# Altium PCB main_io.PcbDoc (part 1 of 3)
Units mm, origin at the board's own origin, x right, y up, seen from the top; angles counter-clockwise.
Board outline 171.45 x 117.09 mm, 4 copper layers (Top Layer, Int1 (GND), Int2 (PWR), Bottom Layer), stack 1.369 mm thick; 229 components, 139 nets, 971 pads, 253 vias.
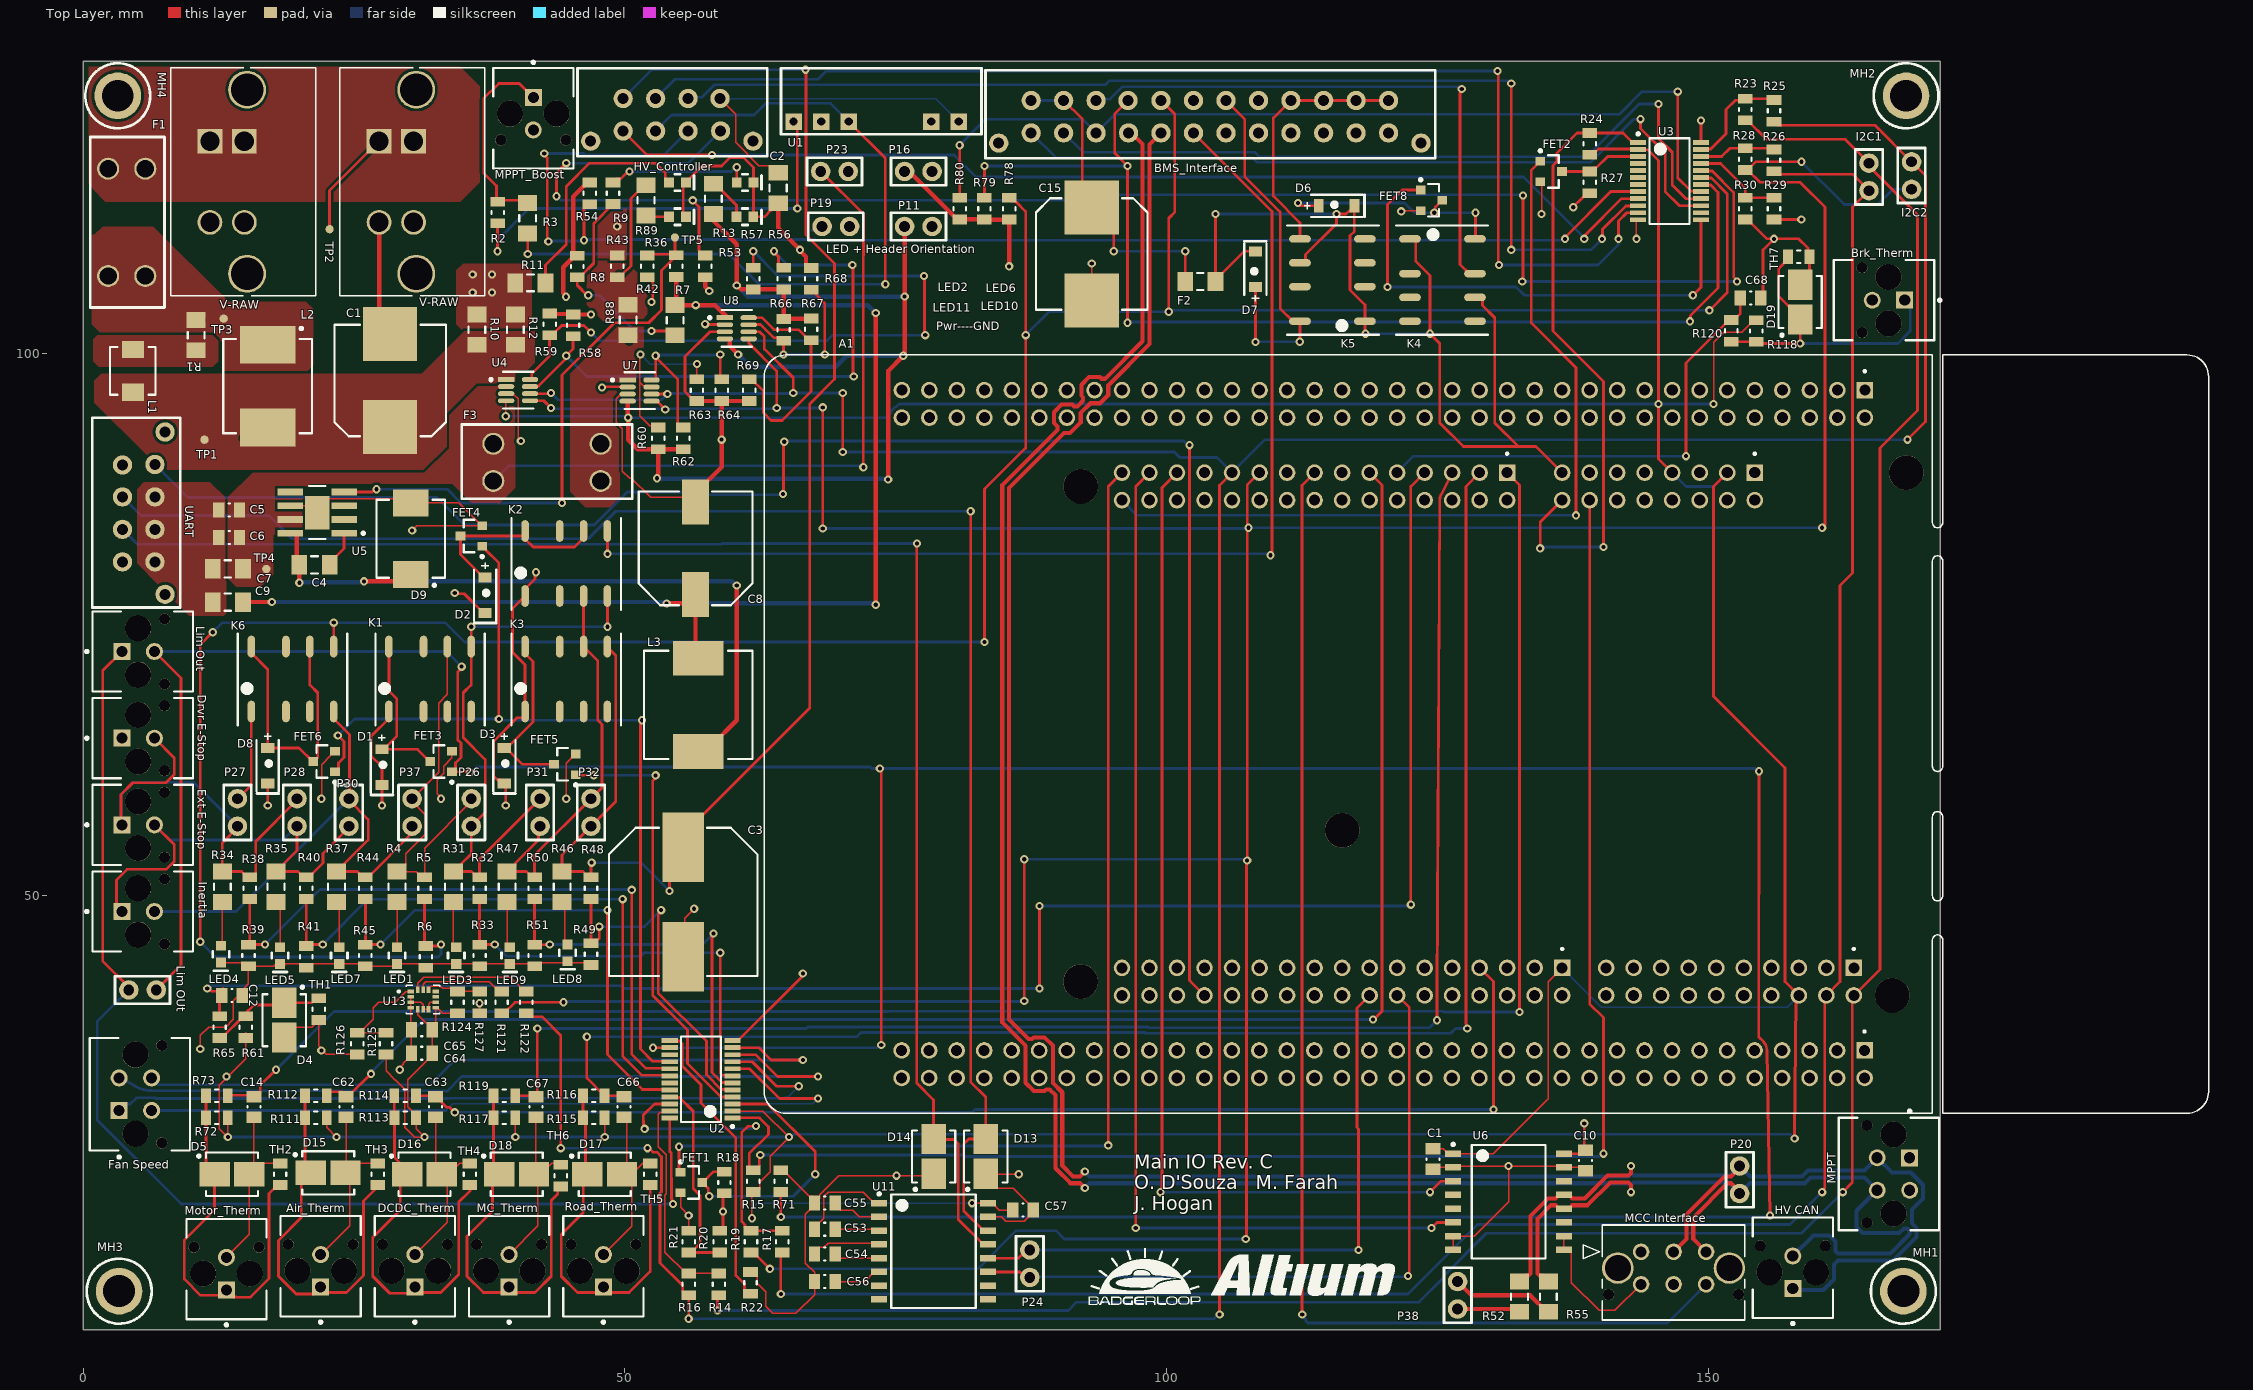
[diagram p0: Top Layer view]
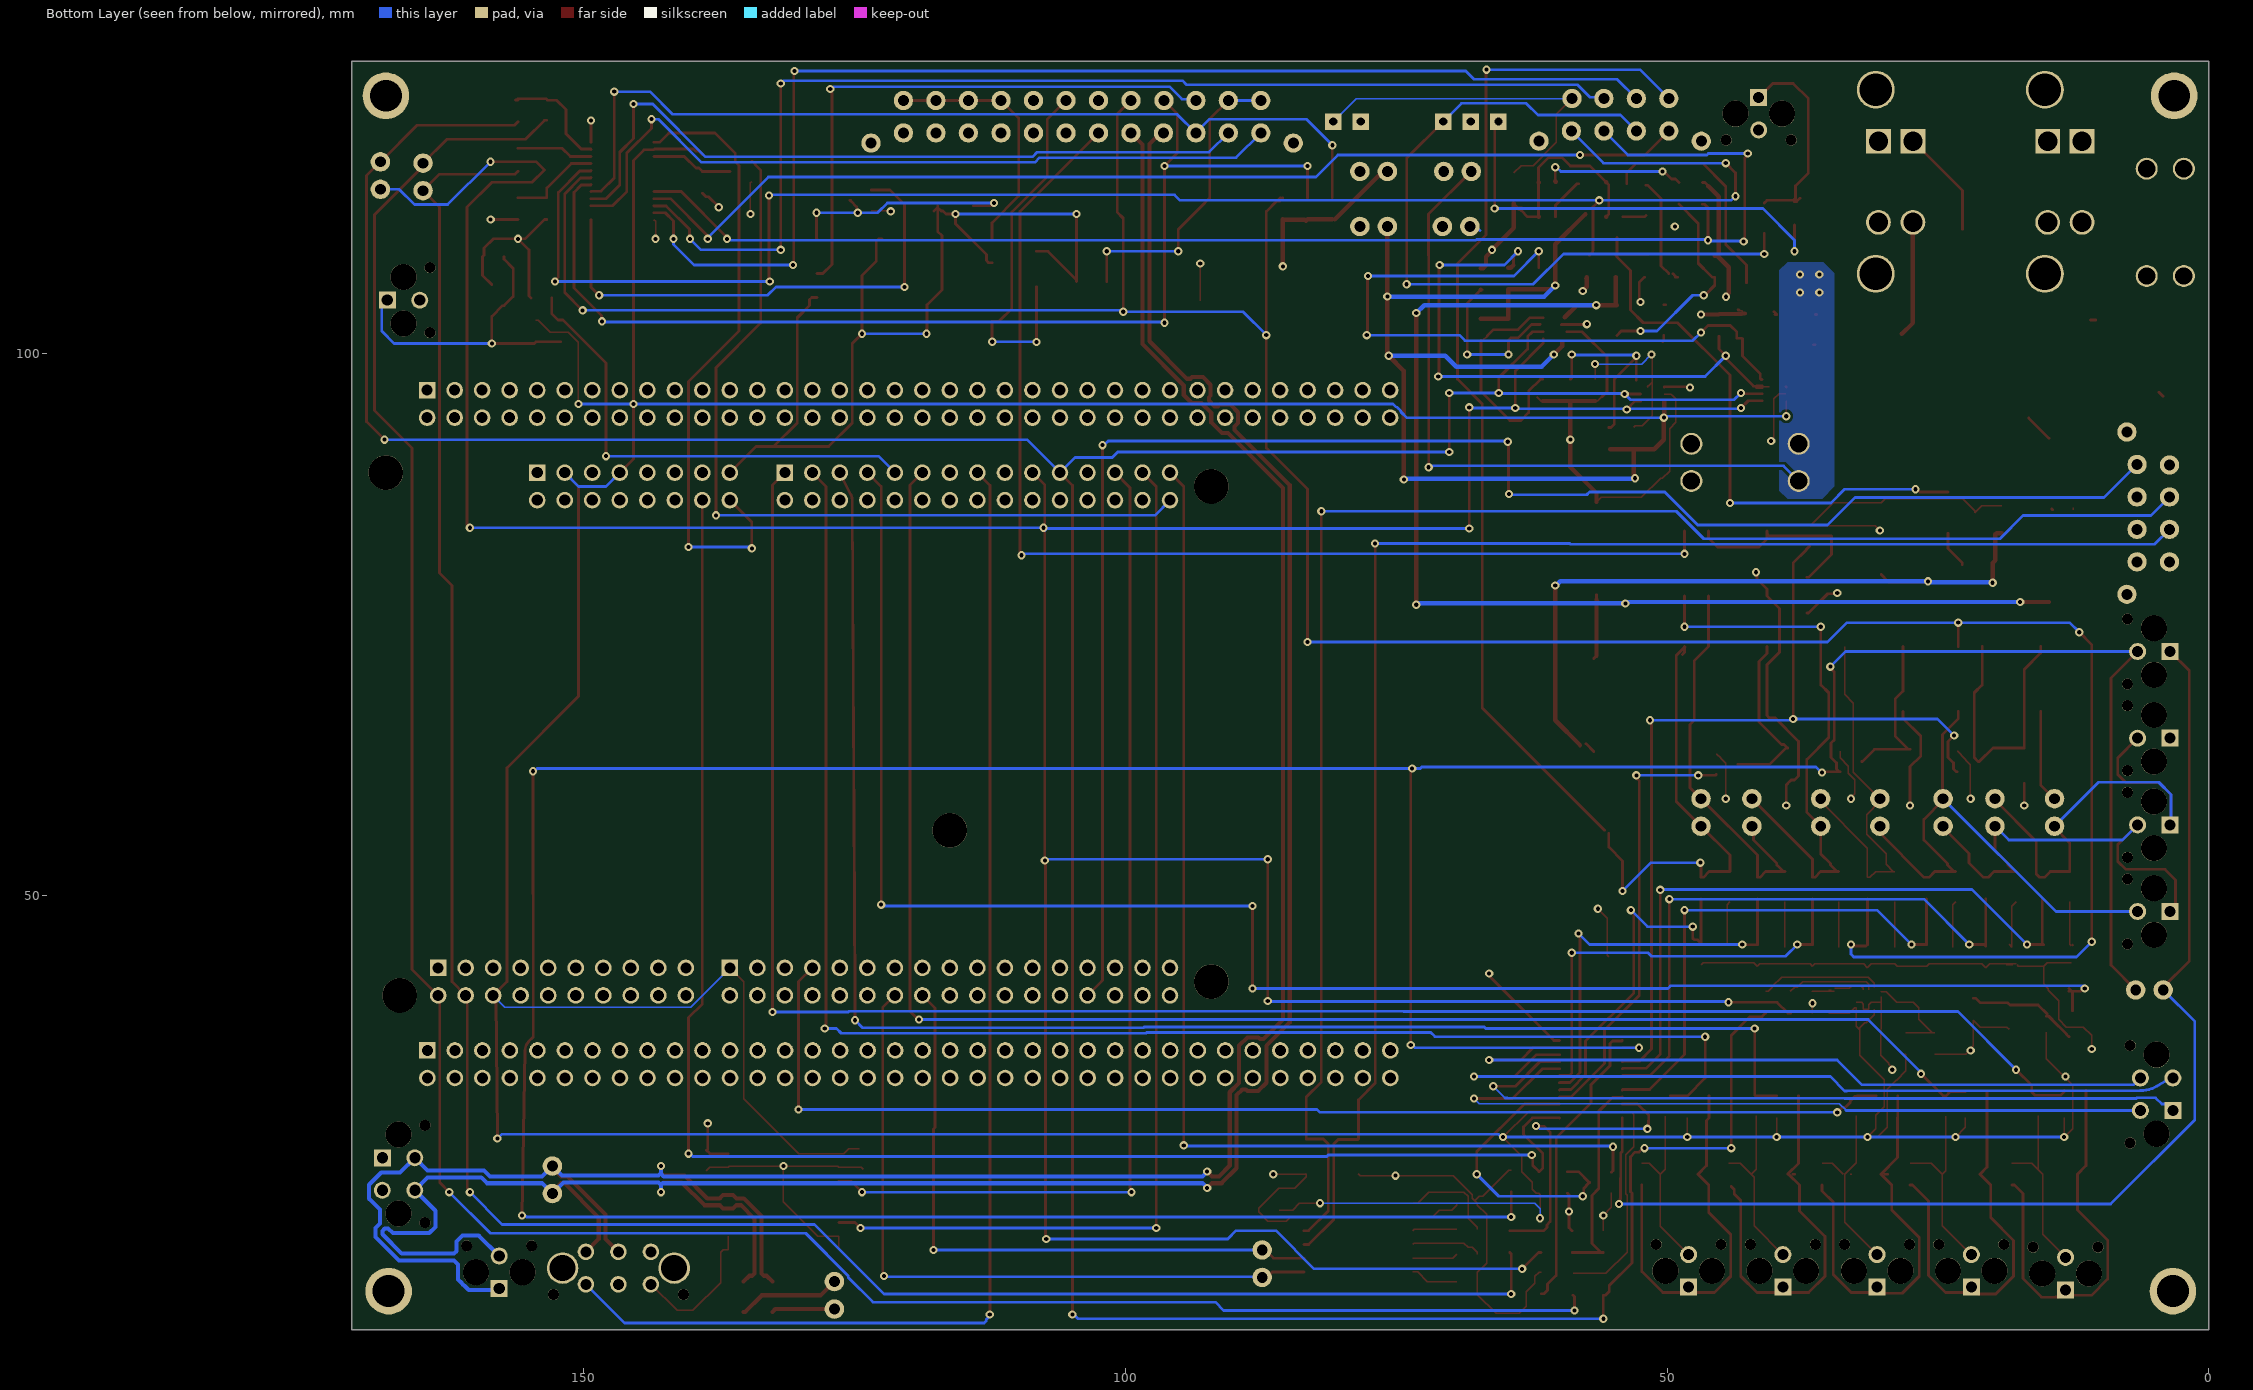
[diagram p1: Bottom Layer view, seen from below]
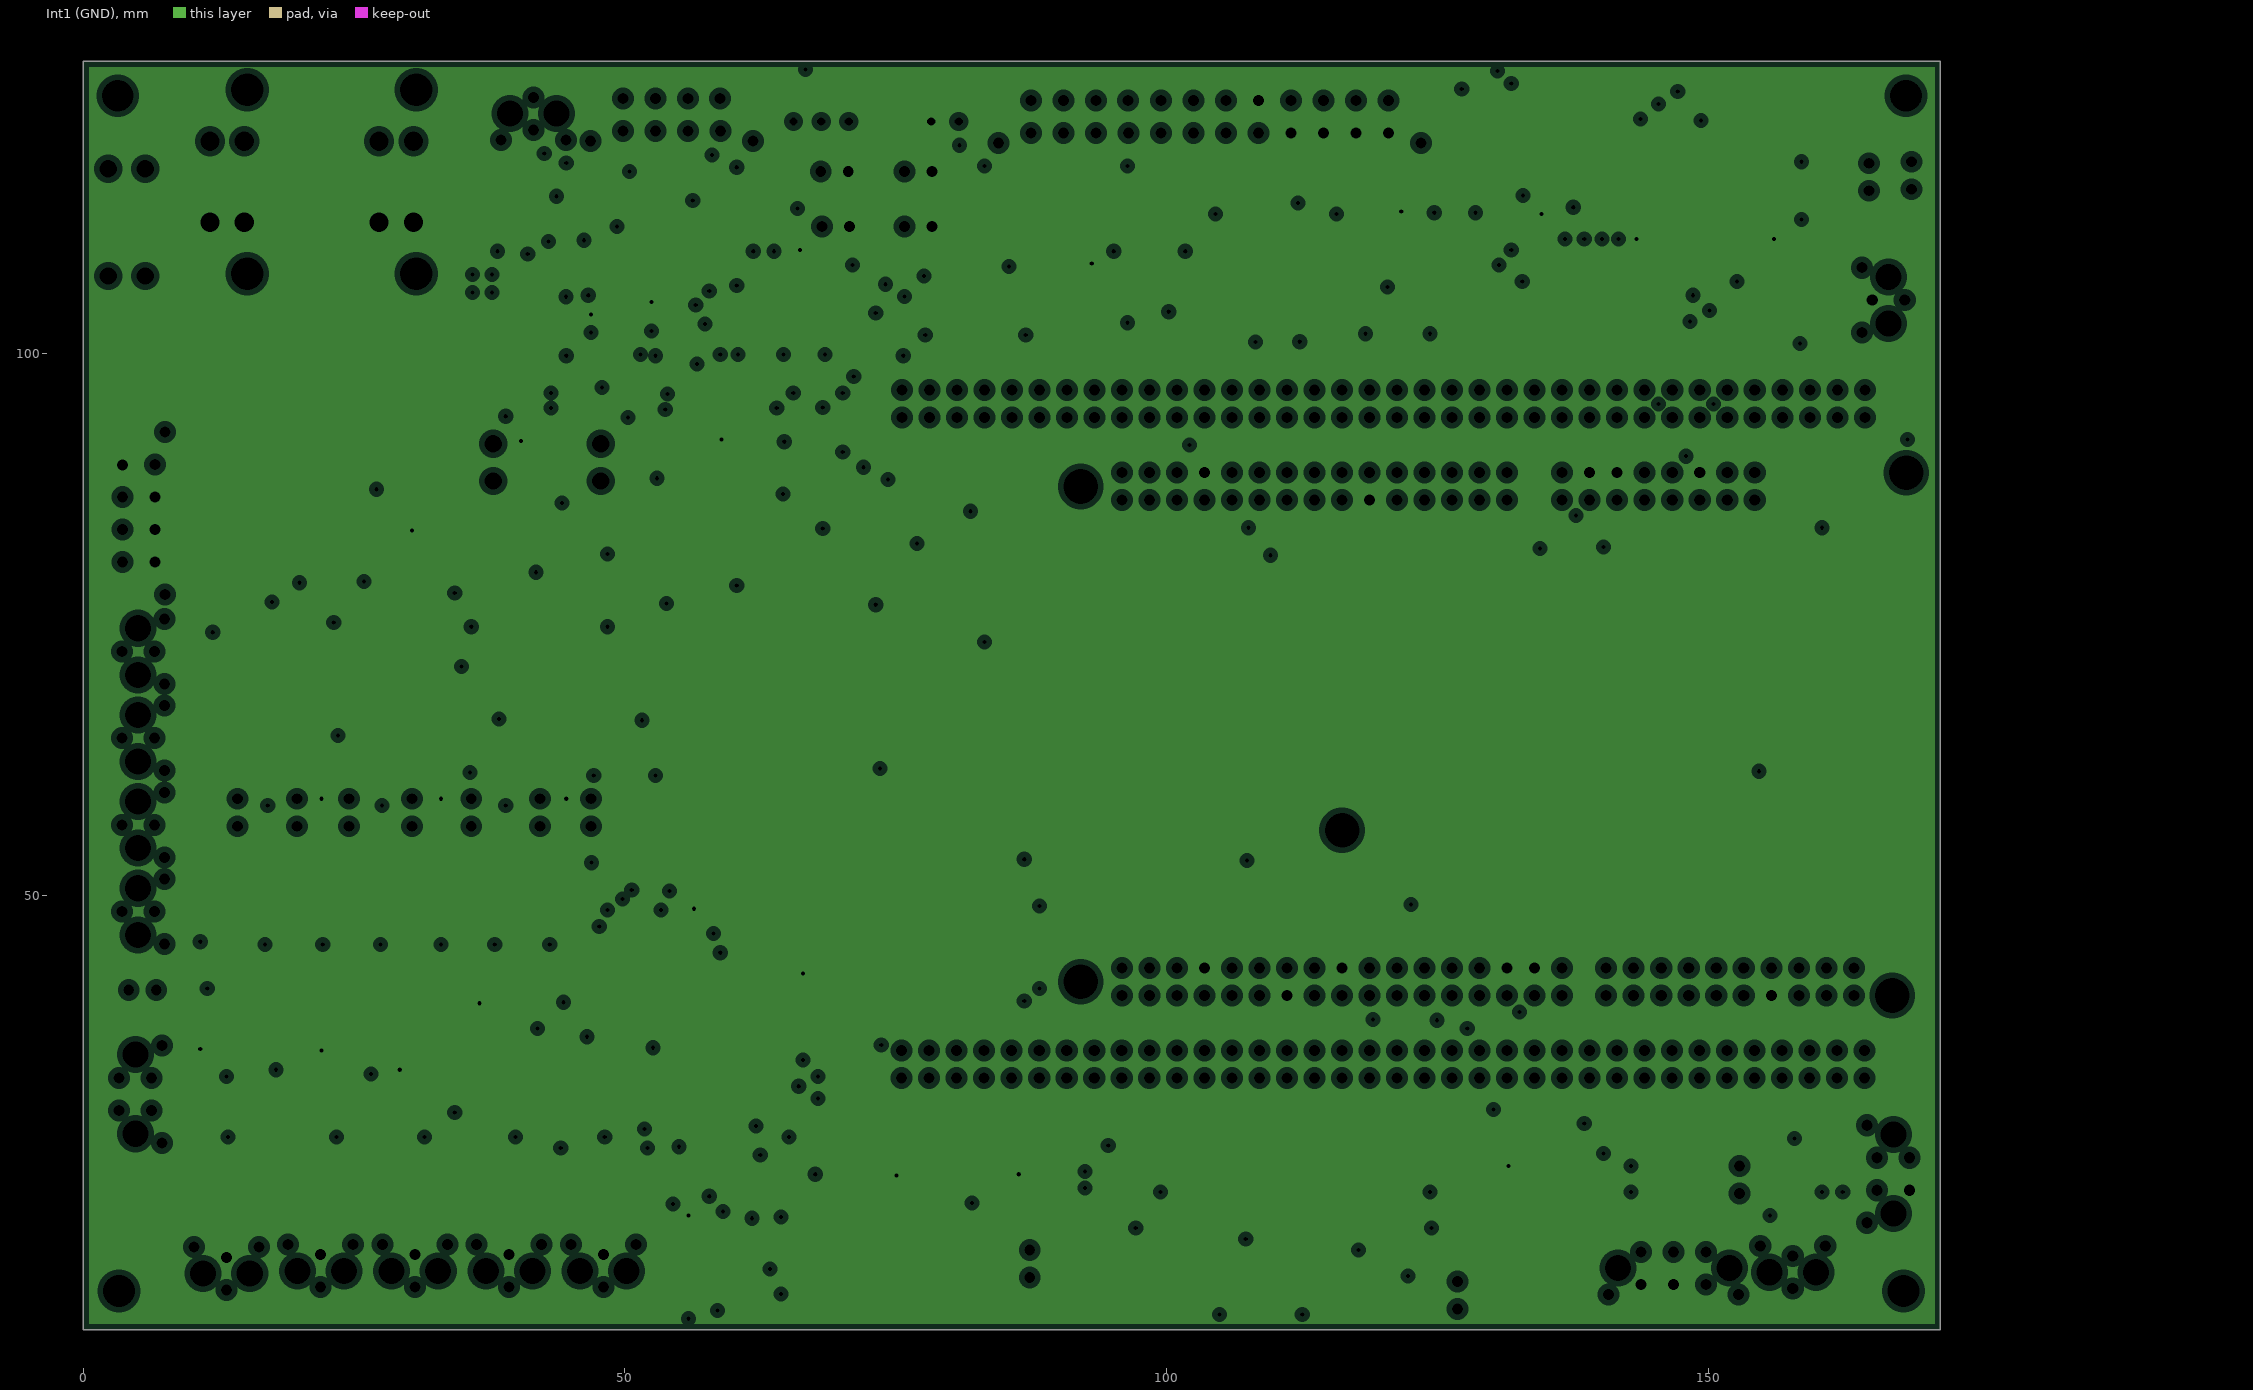
[diagram p2: Int1 (GND), clearances drawn from the general rule]
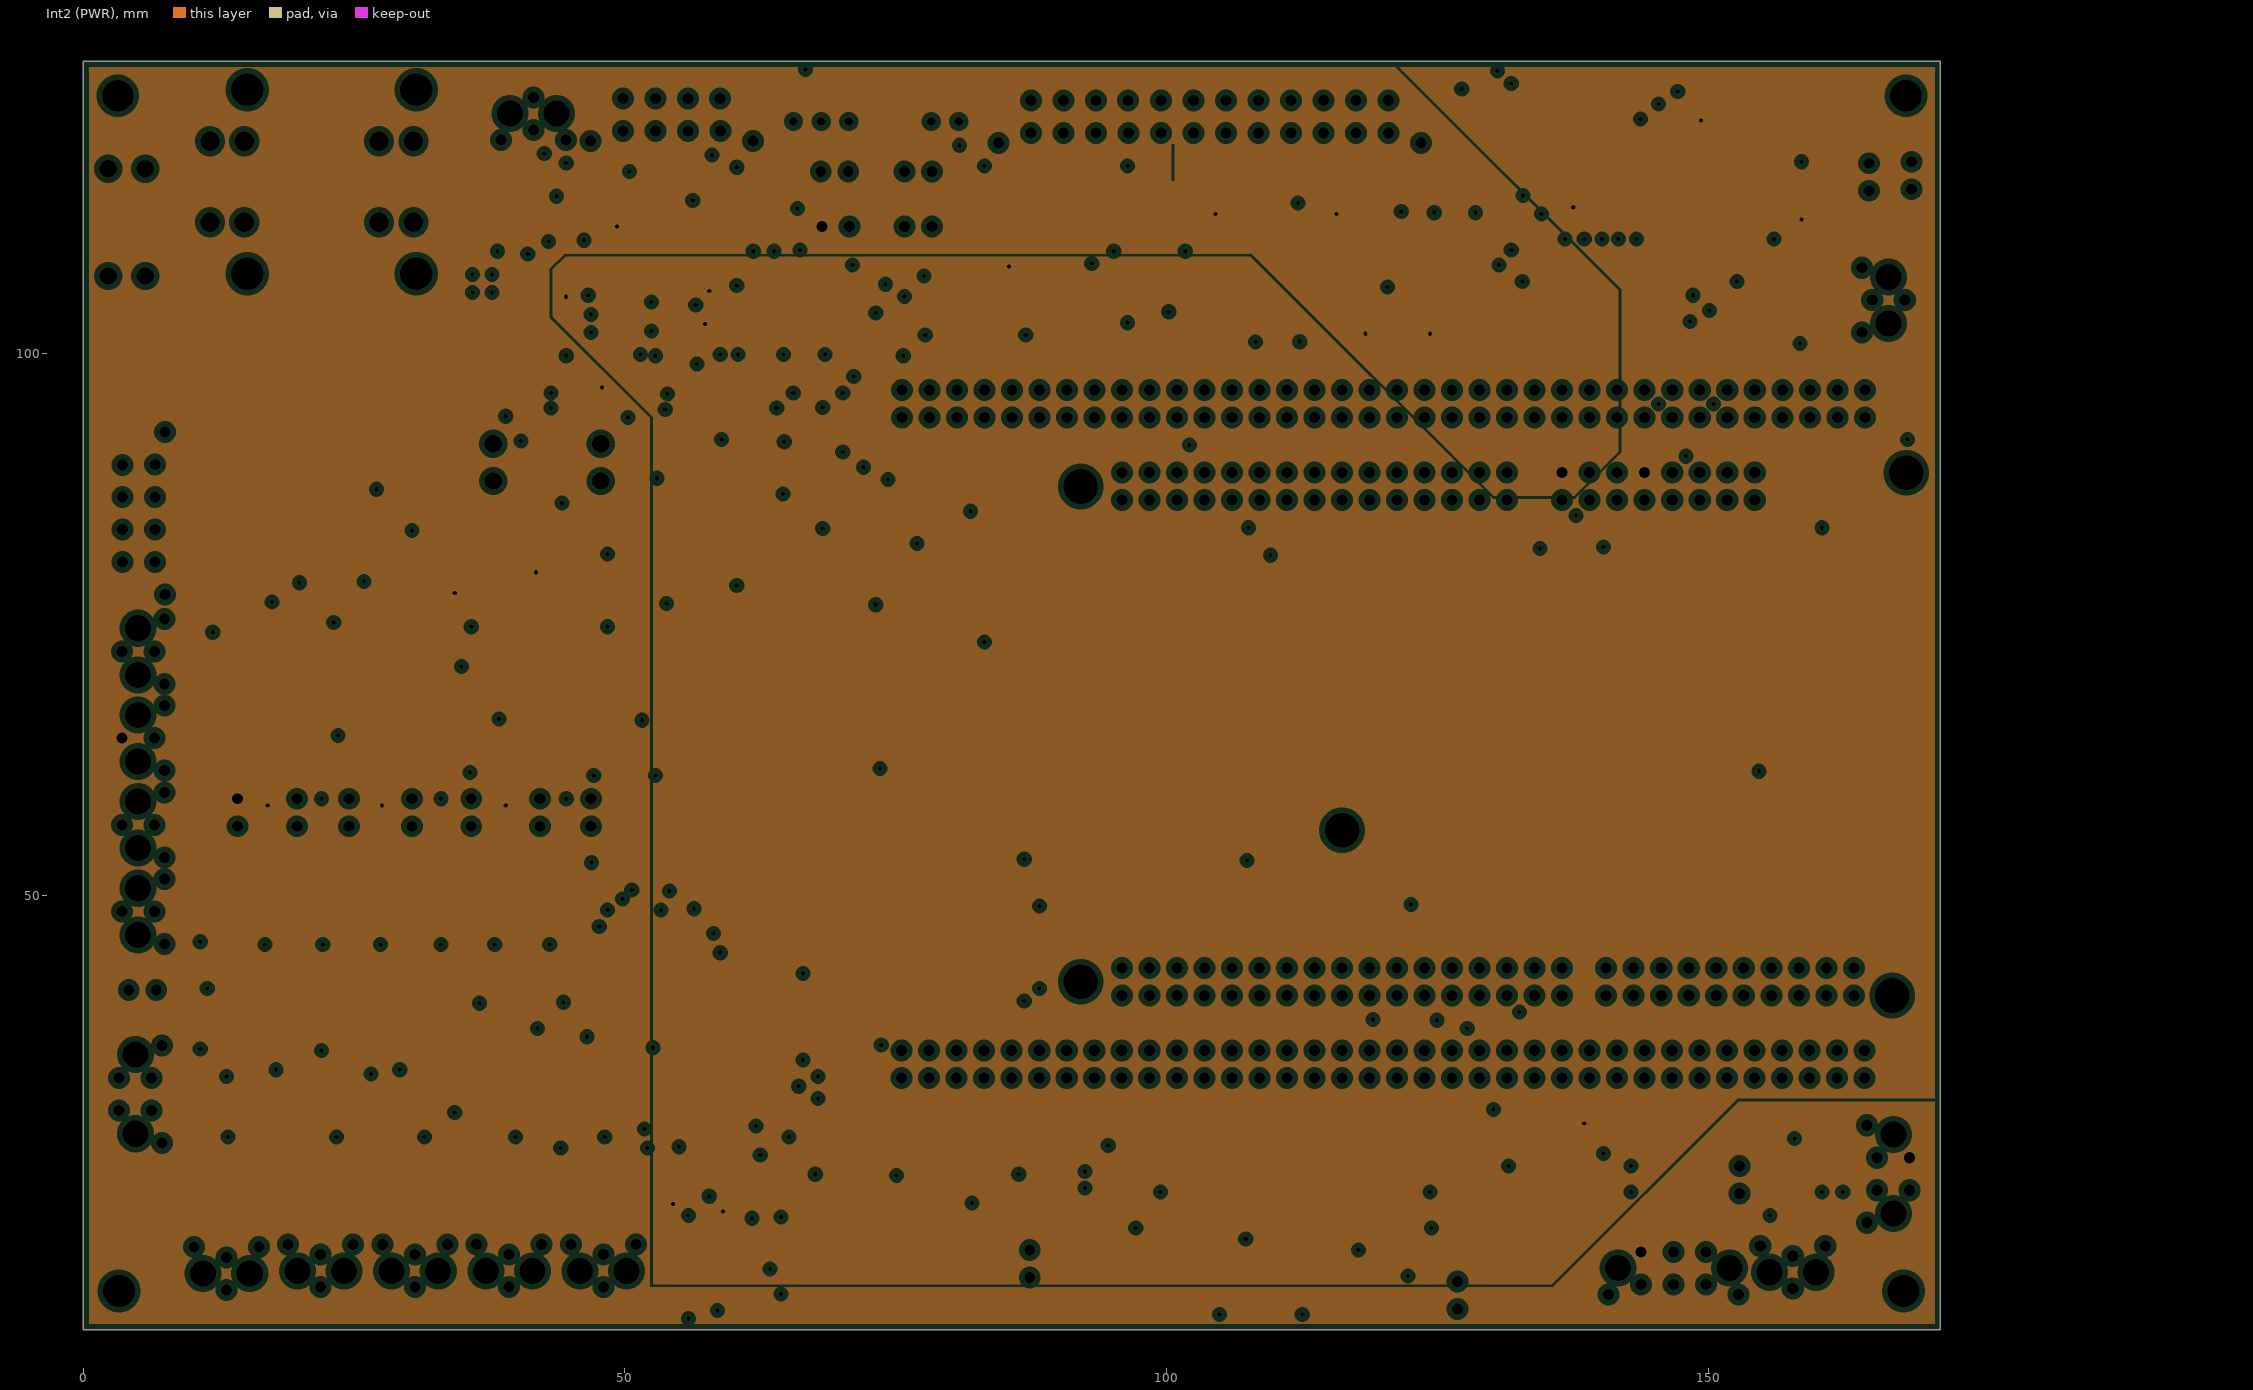
[diagram p3: Int2 (PWR), clearances drawn from the general rule]
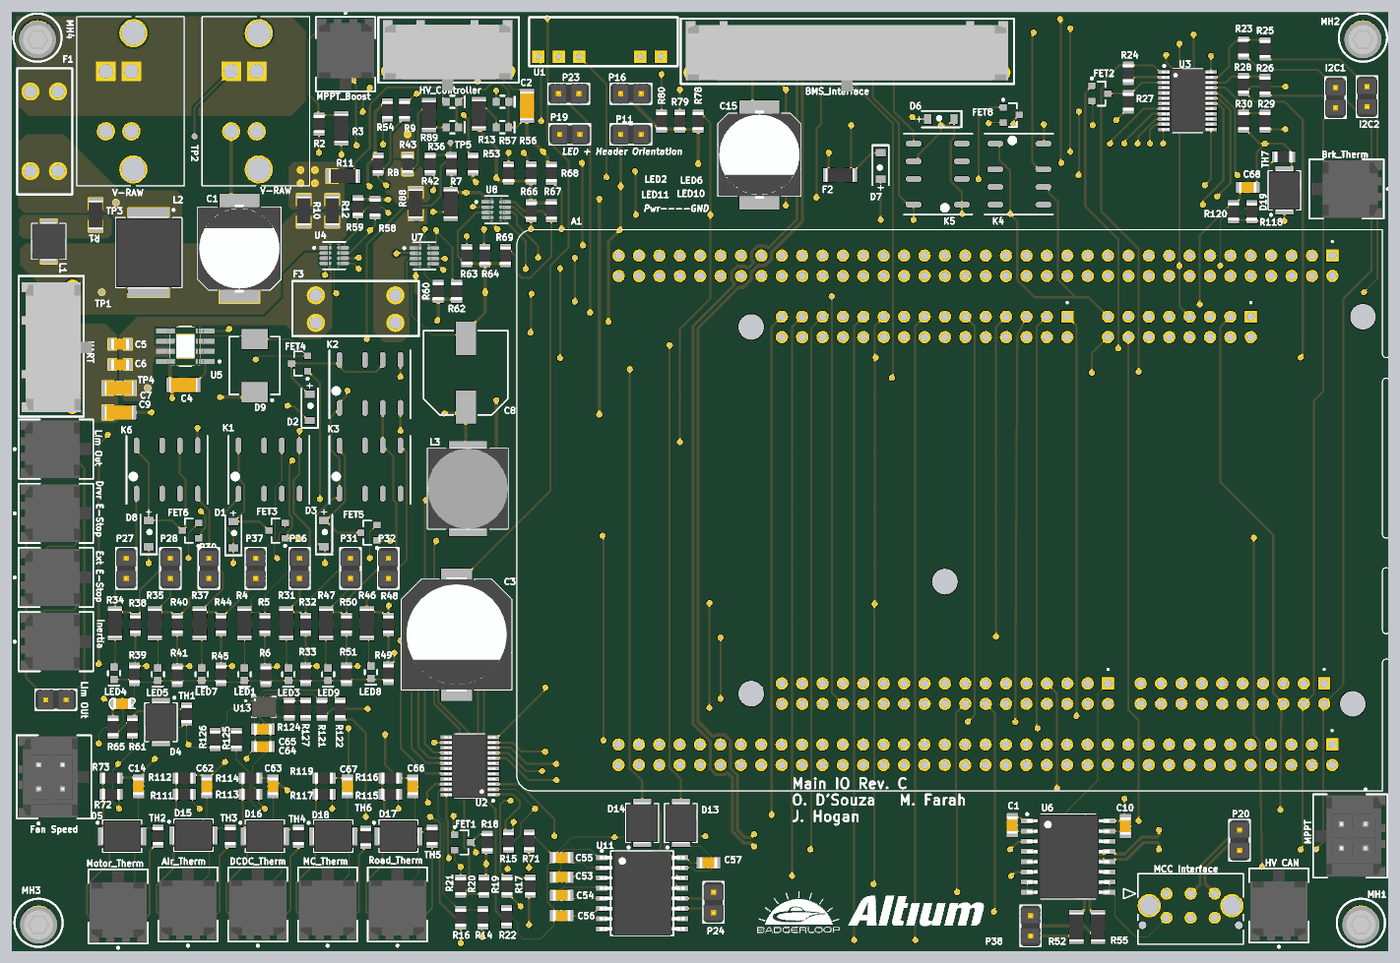
[diagram p6: 3D render of the assembled board from above, using the file's embedded part models]

## Layer stack, top to bottom
Top Solder: solder mask 0.0254, SM-001, Dk 4
Top Layer: signal copper 0.035
Dielectric 1: prepreg 0.1295, PP-017, Dk 4.3
Dielectric 2: prepreg 0.1295, PP-017, Dk 4.3
Int1 (GND): plane copper 0.035, net GND
Dielectric 3: core 0.7112, Core-039, Dk 4.8
Int2 (PWR): plane copper 0.035, net (Multiple Nets)
Dielectric 4: prepreg 0.1295, PP-017, Dk 4.3
Dielectric 5: prepreg 0.1295, PP-017, Dk 4.3
Bottom Layer: signal copper 0.035
Bottom Solder: solder mask 0.0254, SM-001, Dk 4

## Board outline
171.45,9.906 0,9.906 0,127 171.45,127

## Design rules (kind name [scope] priority, off if disabled: settings)
Clearance [All] p1: gap=0.254 ignorepadtopadclearanceinfootprint=TRUE except(0: Arc-Hole Track-Hole SMDPad-Hole THPad-Hole Via-Hole Fill-Hole Poly-Hole Region-Hole Text-Hole)
DiffPairsRouting [All] p1: maxlimit=0.254 minlimit=0.254 mostfreqgap=0.254 toplayer_minwidth=0.381 toplayer_maxwidth=0.381 toplayer_prefwidth=0.381 bottomlayer_minwidth=0.381 bottomlayer_maxwidth=0.381 bottomlayer_prefwidth=0.381 maxuncoupledlength=25.4
HoleSize [All] p1: absolutevalues=TRUE maxlimit=3.302 minlimit=0.025 maxpercent=80.000 minpercent=20.000
MinimumAnnularRing [All] p1: minimumring=0.127
MinimumSolderMaskSliver [All] p1: minsoldermaskwidth=0.051
PlaneClearance [All] p1: clearance=0.508
PlaneConnect [All] p1: planeconnectstyle=Relief reliefexpansion=0.508 reliefentries=4 reliefconductorwidth=0.254 reliefairgap=0.254
PolygonConnect [All] p1: connectstyle=Direct reliefconductorwidth=0.254 reliefentries=4 polygonreliefangle="90 Angle" airgapwidth=0.254
RoutingVias [All] p1: holewidth=0.381 width=0.762 viastyle="Through Hole" minholewidth=0.381 minwidth=0.762 maxholewidth=0.381 maxwidth=0.762
SilkToSilkClearance [All] p1: silktosilkclearance=0
SilkToSolderMaskClearance [IsPad] p1: minsilkscreentomaskgap=0.127 clearancetoexposedcopper=TRUE
SolderMaskExpansion [All] p1: expansion=0.102 istentingtop=FALSE
Width [All] p1: maxlimit=0.406 minlimit=0.127 preferedwidth=0.254 bottomlayer_maxwidth=0.406 minimp=50.000000 maximp=50.000000 favimp=50.000000
23 further rules are at their usual default settings.

## Classes and differential pairs
component class nucleo: A1 LED10 R13
component class Serial_Interface: C1 C10 C53 C54 C55 C56 C57 D13 D14 P38 R52 R55 U6 U11
component class misc_sensors: C12 C14 C62 C63 C64 C65 C66 C67 C68 D4 D5 D15 D16 D17 D18 D19 "Lim OUt" MH1 MH2 MH3 MH4 R56 R57 R58 R59 R60 R61 R62 R63 R64 R65 R66 R67 R68 R69 R71 R72 R73 R111 R112 R113 R114 R115 R116 R117 R118 R119 R120 R121 R122 R124 R125 R126 R127 TH1 TH2 TH3 TH4 TH5 TH6 TH7 U4 U7 U8 U13
component class mc_bms_interface: C15 D6 D7 F2 FET8 K4 K5 R78 R79 R80
component class hv_controller_interface: C3 D1 D2 D3 D8 FET3 FET4 FET5 FET6 K1 K2 K3 K6 LED1 LED3 LED4 LED5 LED7 LED8 LED9 P26 P27 P28 P30 P31 P32 P37 R4 R5 R6 R31 R32 R33 R34 R35 R37 R38 R39 R40 R41 R44 R45 R46 R47 R48 R49 R50 R51 R53 R54
component class gpio: FET1 FET2 R14 R15 R16 R17 R18 R19 R20 R21 R22 R23 R24 R25 R26 R27 R28 R29 R30 U2 U3
component class connectors: Air_Therm C2 DCDC_Therm "Drvr E-Stop" "Ext E-Stop" "Fan Speed" "HV CAN" Inertia LED11 "Lim OUt" MC_therm "MCC Interface" Motor_Therm P11 P16 P20 P23 P24 R2 R3 Road_Therm U1 UART V-RAW
component class power_12V: C1 F1 F3 L1 L2 LED2 LED11 R1 R10 R11 R12 R43 R88 R89 TP1 TP2 TP3 TP4
component class power_5V: C4 C5 C6 C7 C8 C9 D9 L3 LED6 R7 R8 R9 R36 R42 TP5 U5
differential pair CAN: +CAN_P -CAN_N
